# Altium PCB GE21_M1_pku_f100.PcbDoc (part 11 of 19)
Units mm, origin at the board's own origin, x right, y up, seen from the top; angles counter-clockwise.
Board outline 423.9 x 668.59 mm, 8 copper layers (Top Layer, Signal 1, DGNG1, POWER, AGND, DGND2, Signal 2, Bottom Layer), stack 1.03 mm thick; 171 components, 336 nets, 2040 pads, 4872 vias.
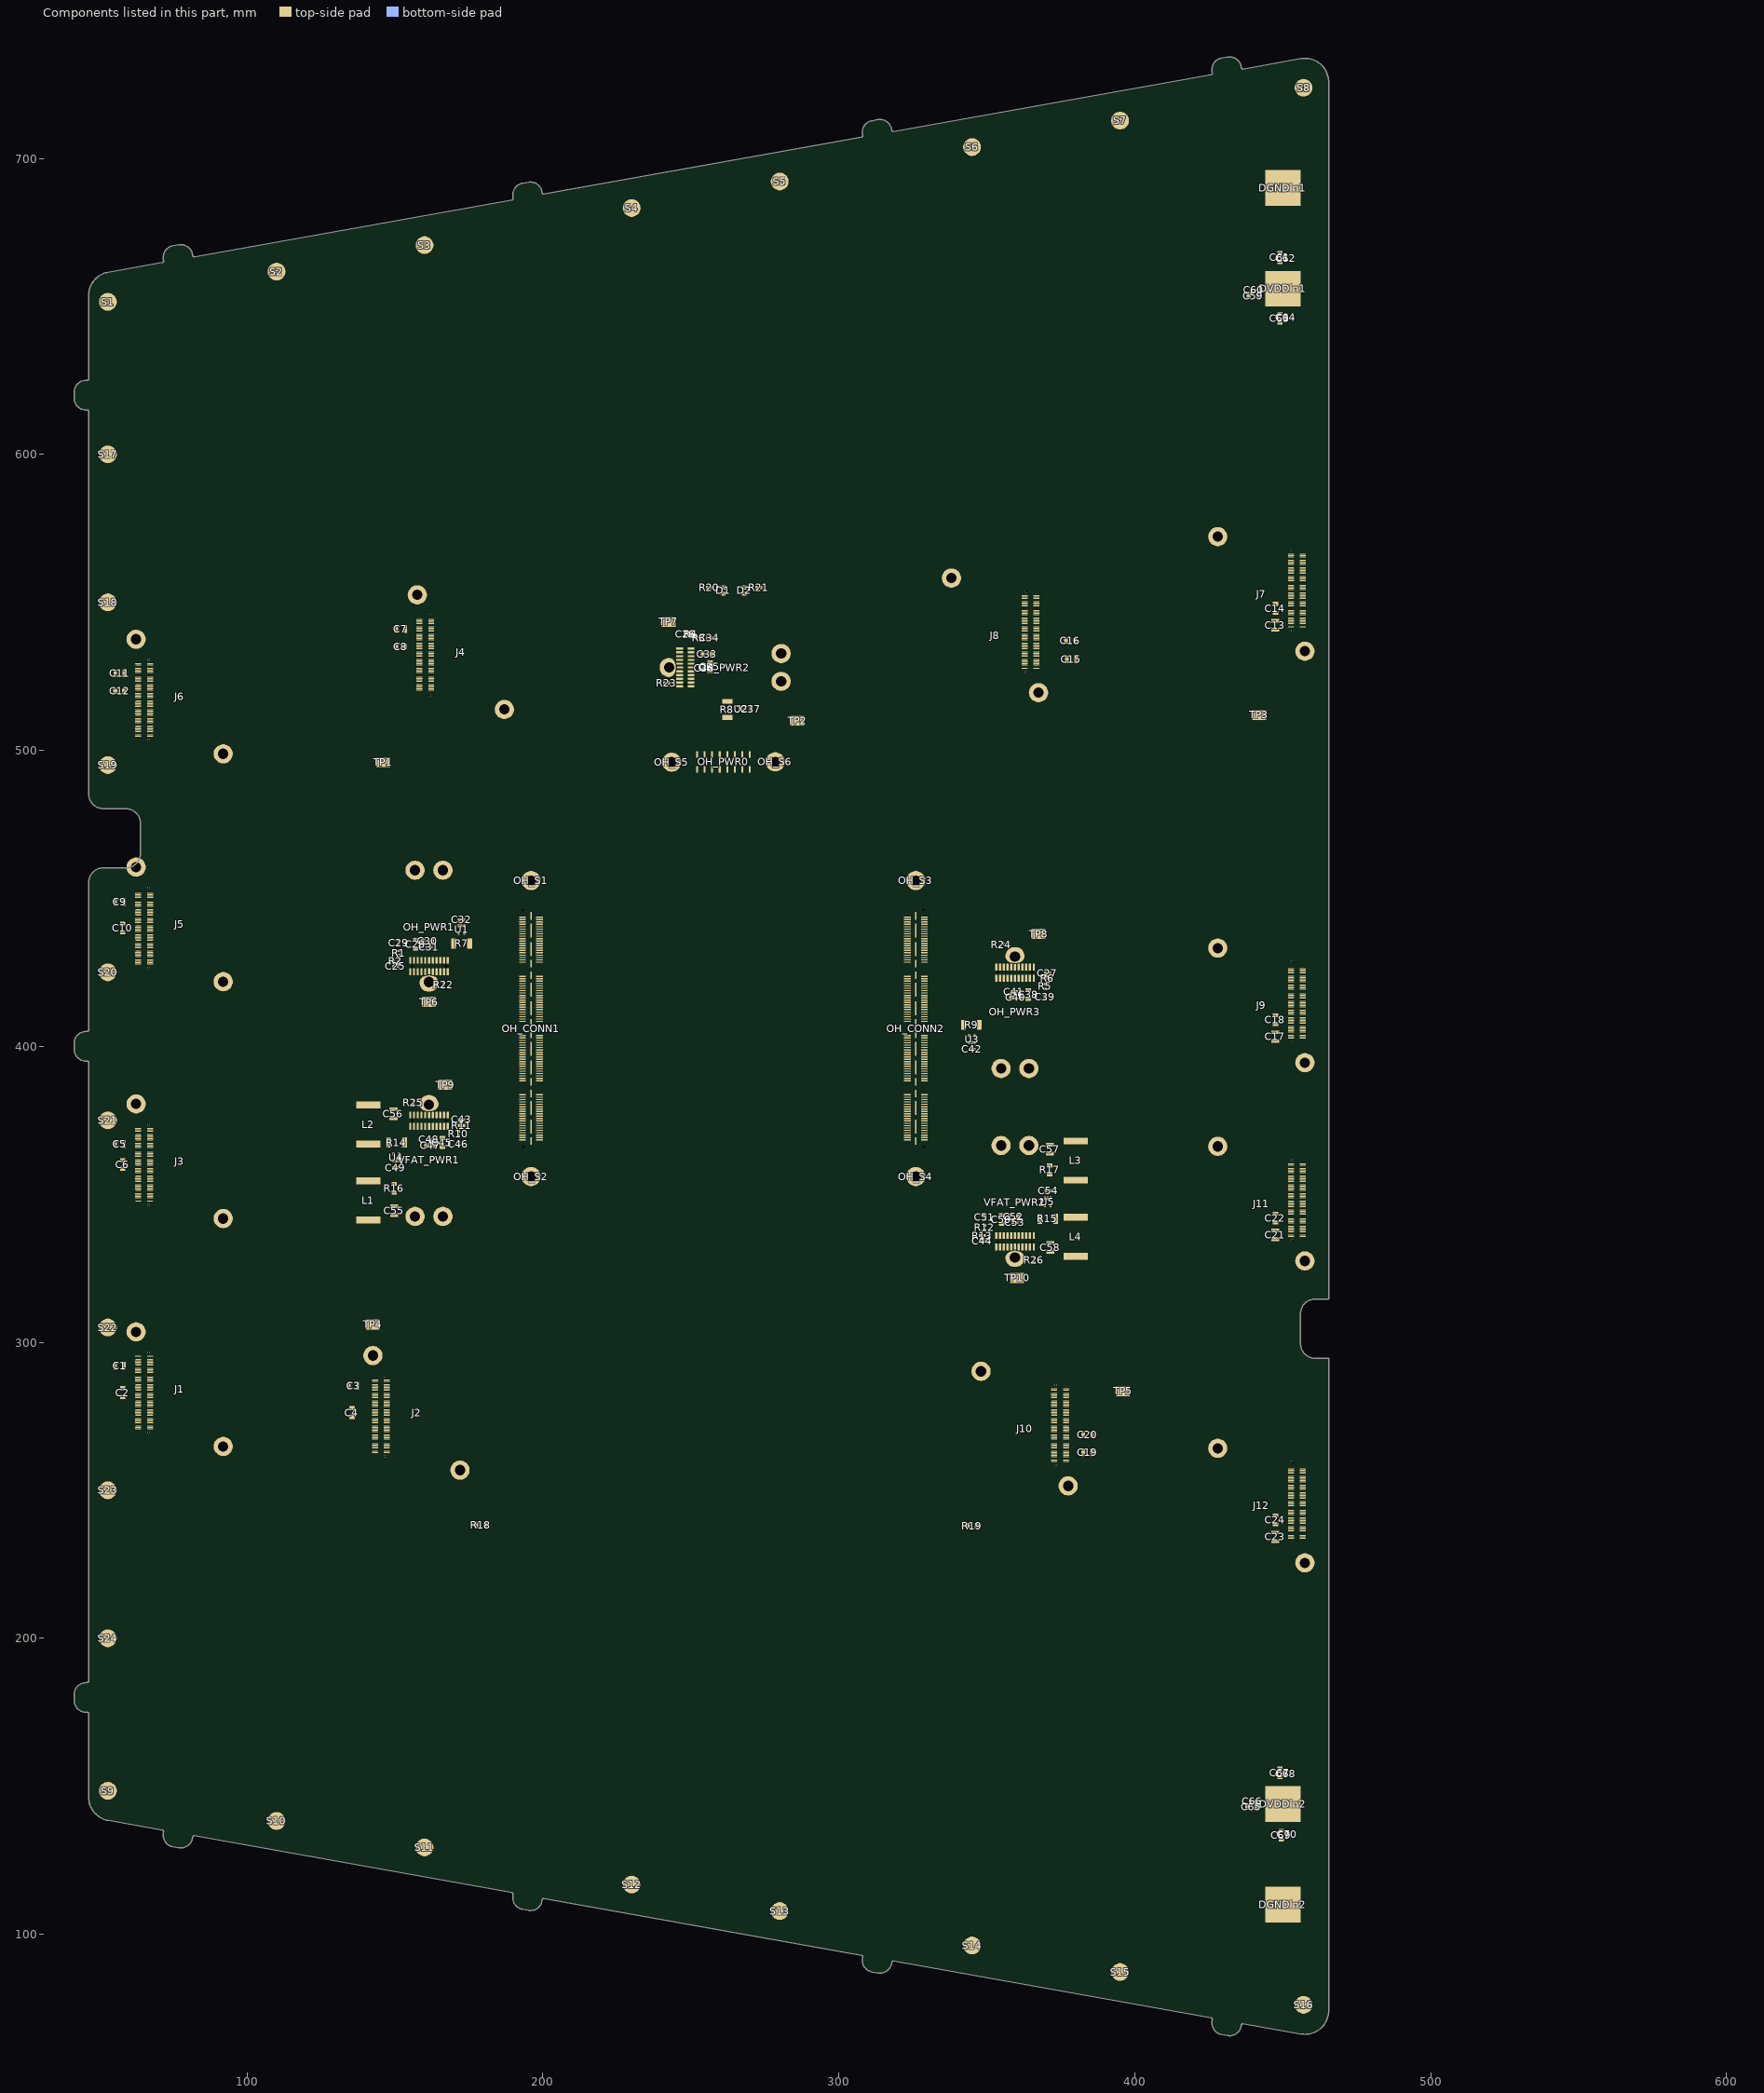
[diagram p17: the components of this part, seen from the top]

## Via types
v1: diameter 0.508, hole 0.203, Top Layer to Bottom Layer, tented both sides, 1688 vias
v2: diameter 0.402/0.402/0.402/0.201 (per signal layer), hole 0.201, Top Layer to Bottom Layer, tented both sides, 1040 vias
v3: diameter 0.507, hole 0.202, Top Layer to Bottom Layer, tented both sides, 780 vias
v4: diameter 0.4, hole 0, Top Layer to Bottom Layer, tented both sides, 438 vias
v5: diameter 0.4, hole 0.2, Top Layer to Bottom Layer, tented both sides, 288 vias
v6: diameter 0.51, hole 0.204, Top Layer to Bottom Layer, tented both sides, 288 vias
v7: diameter 0.6/0.4/0.4/0.4 (per signal layer), hole 0.3, Top Layer to Bottom Layer, tented both sides, 254 vias
v8: diameter 0.402, hole 0.201, Top Layer to Bottom Layer, tented both sides, 96 vias

## Nets (pads, with @x,y where several pads share a name; then routed paths per layer and width w, separated by ;. In a path a pad name is that pad's centre, name@x,y a point inside that pad or via, vN(x,y) a via of type N, cw(c..) or ccw(c..) an arc to the next point about the centre after c; other vN are vias at no path point) (continued)
copper on no net: (continued)
  Top Layer w0.025: 237.174,162.323 237.86,162.323 ; 237.174,162.348 237.86,162.348 ; 237.174,162.374 237.86,162.374 ; 237.174,162.399 237.86,162.399 ; 237.174,162.425 237.86,162.425 ; 237.174,162.45 237.86,162.45 ; 237.174,162.475 237.86,162.475 ; 237.174,162.501 237.86,162.501 ; 237.174,162.526 237.86,162.526 ; 237.174,162.552 237.86,162.552 ; 237.174,162.577 237.86,162.577 ; 237.174,162.602 237.86,162.602 ; 237.174,162.628 237.86,162.628 ; 237.174,162.653 237.86,162.653 ; 237.174,162.679 237.86,162.679 ; 237.174,162.704 237.86,162.704 ; 237.174,162.729 237.86,162.729 ; 237.174,162.755 237.86,162.755 ; 237.174,162.78 237.86,162.78 ; 237.174,162.806 237.86,162.806 ; 237.174,162.831 237.86,162.831 ; 237.174,162.856 237.86,162.856 ; 237.174,162.882 237.86,162.882 ; 237.174,162.907 237.86,162.907 ; 237.174,162.933 237.86,162.933 ; 237.174,162.958 237.86,162.958 ; 237.174,162.983 237.86,162.983 ; 237.174,163.009 237.86,163.009 ; 237.174,163.034 237.86,163.034 ; 237.174,163.06 237.86,163.06 ; 237.174,163.085 237.86,163.085 ; 237.174,163.11 237.86,163.11 ; 237.174,163.136 237.86,163.136 ; 237.174,163.161 237.86,163.161 ; 237.174,163.187 237.86,163.187 ; 237.174,163.212 237.86,163.212 ; 237.174,163.237 237.86,163.237 ; 237.174,163.263 237.86,163.263 ; 237.174,163.288 237.86,163.288 ; 237.174,163.314 237.86,163.314 ; 237.174,163.339 237.86,163.339 ; 237.174,163.364 237.86,163.364 ; 237.199,161.866 237.91,161.866 ; 237.199,161.891 237.885,161.891 ; 237.199,161.917 237.885,161.917 ; 237.199,161.942 237.885,161.942 ; 237.199,161.967 237.885,161.967 ; 237.199,161.993 237.885,161.993 ; 237.199,162.018 237.885,162.018 ; 237.199,162.044 237.885,162.044 ; 237.199,162.069 237.885,162.069 ; 237.199,162.094 237.885,162.094 ; 237.199,162.12 237.885,162.12 ; 237.199,162.145 237.885,162.145 ; 237.199,162.171 237.885,162.171 ; 237.199,162.196 237.885,162.196 ; 237.199,162.221 237.885,162.221 ; 237.199,162.247 237.885,162.247 ; 237.199,162.272 237.885,162.272 ; 237.199,162.298 237.885,162.298 ; 237.199,163.39 237.885,163.39 ; 237.199,163.415 237.885,163.415 ; 237.199,163.441 237.885,163.441 ; 237.199,163.466 237.885,163.466 ; 237.199,163.491 237.885,163.491 ; 237.199,163.517 237.885,163.517 ; 237.199,163.542 237.885,163.542 ; 237.199,163.568 237.885,163.568 ; 237.199,163.593 237.885,163.593 ; 237.199,163.618 237.885,163.618 ; 237.199,163.644 237.885,163.644 ; 237.199,163.669 237.885,163.669 ; 237.199,163.695 237.885,163.695 ; 237.199,163.72 237.885,163.72 ; 237.199,163.745 237.885,163.745 ; 237.199,163.771 237.885,163.771 ; 237.199,163.796 237.885,163.796 ; 237.199,163.822 237.91,163.822 ; 237.225,161.586 237.936,161.586 ; 237.225,161.612 237.91,161.612 ; 237.225,161.637 237.91,161.637 ; 237.225,161.663 237.91,161.663 ; 237.225,161.688 237.91,161.688 ; 237.225,161.713 237.91,161.713 ; 237.225,161.739 237.91,161.739 ; 237.225,161.764 237.91,161.764 ; 237.225,161.79 237.91,161.79 ; 237.225,161.815 237.91,161.815 ; 237.225,161.84 237.91,161.84 ; 237.225,163.847 237.91,163.847 ; 237.225,163.872 237.91,163.872 ; 237.225,163.898 237.91,163.898 ; 237.225,163.923 237.91,163.923 ; 237.225,163.949 237.91,163.949 ; 237.225,163.974 237.91,163.974 ; 237.225,163.999 237.91,163.999 ; 237.225,164.025 237.91,164.025 ; 237.225,164.05 237.91,164.05 ; 237.225,164.076 237.91,164.076 ; 237.225,164.101 237.936,164.101 ; 237.25,161.332 237.961,161.332 ; 237.25,161.358 237.961,161.358 ; 237.25,161.383 237.936,161.383 ; 237.25,161.409 237.936,161.409 ; 237.25,161.434 237.936,161.434 ; 237.25,161.459 237.936,161.459 ; 237.25,161.485 237.936,161.485 ; 237.25,161.51 237.936,161.51 ; 237.25,161.536 237.936,161.536 ; 237.25,161.561 237.936,161.561 ; 237.25,164.126 237.936,164.126 ; 237.25,164.152 237.936,164.152 ; 237.25,164.177 237.936,164.177 ; 237.25,164.203 237.936,164.203 ; 237.25,164.228 237.936,164.228 ; 237.25,164.253 237.936,164.253 ; 237.25,164.279 237.936,164.279 ; 237.25,164.304 237.936,164.304 ; 237.25,164.33 237.936,164.33 ; 237.275,161.155 237.987,161.155 ; 237.275,161.18 237.961,161.18 ; 237.275,161.205 237.961,161.205 ; 237.275,161.231 237.961,161.231 ; 237.275,161.256 237.961,161.256 ; 237.275,161.282 237.961,161.282 ; 237.275,161.307 237.961,161.307 ; 237.275,164.355 237.961,164.355 ; 237.275,164.38 237.961,164.38 ; 237.275,164.406 237.961,164.406 ; 237.275,164.431 237.961,164.431 ; 237.275,164.457 237.961,164.457 ; 237.275,164.482 237.961,164.482 ; 237.275,164.507 237.961,164.507 ; 237.275,164.533 237.987,164.533 ; 237.301,160.977 237.987,160.977 ; 237.301,161.002 237.987,161.002 ; 237.301,161.028 237.987,161.028 ; 237.301,161.053 237.987,161.053 ; 237.301,161.078 237.987,161.078 ; 237.301,161.104 237.987,161.104 ; 237.301,161.129 237.987,161.129 ; 237.301,164.558 237.987,164.558 ; 237.301,164.584 237.987,164.584 ; 237.301,164.609 237.987,164.609 ; 237.301,164.634 237.987,164.634 ; 237.301,164.66 237.987,164.66 ; 237.301,164.685 237.987,164.685 ; 237.301,164.711 237.987,164.711 ; 237.326,160.799 238.037,160.799 ; 237.326,160.824 238.012,160.824 ; 237.326,160.85 238.012,160.85 ; 237.326,160.875 238.012,160.875 ; 237.326,160.901 238.012,160.901 ; 237.326,160.926 238.012,160.926 ; 237.326,160.951 238.012,160.951 ; 237.326,164.736 238.012,164.736 ; 237.326,164.761 238.012,164.761 ; 237.326,164.787 238.012,164.787 ; 237.326,164.812 238.012,164.812 ; 237.326,164.838 238.012,164.838 ; 237.326,164.863 238.012,164.863 ; 237.326,164.888 238.037,164.888 ; 237.352,160.647 238.063,160.647 ; 237.352,160.672 238.037,160.672 ; 237.352,160.697 238.037,160.697 ; 237.352,160.723 238.037,160.723 ; 237.352,160.748 238.037,160.748 ; 237.352,160.774 238.037,160.774 ; 237.352,164.914 238.037,164.914 ; 237.352,164.939 238.037,164.939 ; 237.352,164.965 238.037,164.965 ; 237.352,164.99 238.037,164.99 ; 237.352,165.015 238.037,165.015 ; 237.352,165.041 238.063,165.041 ; 237.377,160.52 238.088,160.52 ; 237.377,160.545 238.063,160.545 ; 237.377,160.57 238.063,160.57 ; 237.377,160.596 238.063,160.596 ; 237.377,160.621 238.063,160.621 ; 237.377,165.066 238.063,165.066 ; 237.377,165.092 238.063,165.092 ; 237.377,165.117 238.063,165.117 ; 237.377,165.142 238.063,165.142 ; 237.377,165.168 238.088,165.168 ; 237.402,160.367 238.114,160.367 ; 237.402,160.393 238.114,160.393 ; 237.402,160.418 238.088,160.418 ; 237.402,160.443 238.088,160.443 ; 237.402,160.469 238.088,160.469 ; 237.402,160.494 238.088,160.494 ; 237.402,165.193 238.088,165.193 ; 237.402,165.219 238.088,165.219 ; 237.402,165.244 238.088,165.244 ; 237.402,165.269 238.088,165.269 ; 237.402,165.295 238.114,165.295 ; 237.402,165.32 238.114,165.32 ; 237.428,160.24 238.139,160.24 ; 237.428,160.266 238.139,160.266 ; 237.428,160.291 238.114,160.291 ; 237.428,160.316 238.114,160.316 ; 237.428,160.342 238.114,160.342 ; 237.428,165.346 238.114,165.346 ; 237.428,165.371 238.114,165.371 ; 237.428,165.396 238.114,165.396 ; 237.428,165.422 238.139,165.422 ; 237.428,165.447 238.139,165.447 ; 237.453,160.113 238.164,160.113 ; 237.453,160.139 238.164,160.139 ; 237.453,160.164 238.139,160.164 ; 237.453,160.189 238.139,160.189 ; 237.453,160.215 238.139,160.215 ; 237.453,165.473 238.139,165.473 ; 237.453,165.498 238.139,165.498 ; 237.453,165.523 238.139,165.523 ; 237.453,165.549 238.164,165.549 ; 237.453,165.574 238.164,165.574 ; 237.479,160.012 238.19,160.012 ; 237.479,160.037 238.19,160.037 ; 237.479,160.062 238.164,160.062 ; 237.479,160.088 238.164,160.088 ; 237.479,165.6 238.164,165.6 ; 237.479,165.625 238.164,165.625 ; 237.479,165.65 238.19,165.65 ; 237.479,165.676 238.19,165.676 ; 237.504,159.885 238.215,159.885 ; 237.504,159.91 238.215,159.91 ; 237.504,159.935 238.215,159.935 ; 237.504,159.961 238.19,159.961 ; 237.504,159.986 238.19,159.986 ; 237.504,165.701 238.19,165.701 ; 237.504,165.727 238.19,165.727 ; 237.504,165.752 238.215,165.752 ; 237.504,165.777 238.215,165.777 ; 237.504,165.803 238.215,165.803 ; 237.529,159.783 238.241,159.783 ; 237.529,159.808 238.241,159.808 ; 237.529,159.834 238.241,159.834 ; 237.529,159.859 238.215,159.859 ; 237.529,165.828 238.215,165.828 ; 237.529,165.854 238.241,165.854 ; 237.529,165.879 238.241,165.879 ; 237.529,165.904 238.241,165.904 ; 237.555,159.656 238.266,159.656 ; 237.555,159.681 238.266,159.681 ; 237.555,159.707 238.266,159.707 ; 237.555,159.732 238.266,159.732 ; 237.555,159.758 238.241,159.758 ; 237.555,165.93 238.241,165.93 ; 237.555,165.955 238.266,165.955 ; 237.555,165.981 238.266,165.981 ; 237.555,166.006 238.266,166.006 ; 237.58,159.58 238.291,159.58 ; 237.58,159.605 238.291,159.605 ; 237.58,159.631 238.291,159.631 ; 237.58,166.031 238.266,166.031 ; 237.58,166.057 238.291,166.057 ; 237.58,166.082 238.291,166.082 ; 237.58,166.108 238.291,166.108 ; 237.606,159.478 238.317,159.478 ; 237.606,159.504 238.317,159.504 ; 237.606,159.529 238.317,159.529 ; 237.606,159.554 238.317,159.554 ; 237.606,166.133 238.317,166.133 ; 237.606,166.158 238.317,166.158 ; 237.606,166.184 238.317,166.184 ; 237.606,166.209 238.317,166.209 ; 237.631,159.402 238.342,159.402 ; 237.631,159.427 238.342,159.427 ; 237.631,159.453 238.342,159.453 ; 237.631,166.235 238.342,166.235 ; 237.631,166.26 238.342,166.26 ; 237.631,166.285 238.342,166.285 ; 237.656,159.3 238.368,159.3 ; 237.656,159.326 238.368,159.326 ; 237.656,159.351 238.368,159.351 ; 237.656,159.377 238.368,159.377 ; 237.656,166.311 238.368,166.311 ; 237.656,166.336 238.368,166.336 ; 237.656,166.362 238.368,166.362 ; 237.656,166.387 238.393,166.387 ; 237.682,159.224 238.393,159.224 ; 237.682,159.25 238.393,159.25 ; 237.682,159.275 238.393,159.275 ; 237.682,166.412 238.393,166.412 ; 237.682,166.438 238.393,166.438 ; 237.682,166.463 238.393,166.463 ; 237.707,159.148 238.418,159.148 ; 237.707,159.173 238.418,159.173 ; 237.707,159.199 238.418,159.199 ; 237.707,166.489 238.418,166.489 ; 237.707,166.514 238.418,166.514 ; 237.707,166.539 238.418,166.539 ; 237.733,159.046 238.469,159.046 ; 237.733,159.072 238.444,159.072 ; 237.733,159.097 238.444,159.097 ; 237.733,159.123 238.444,159.123 ; 237.733,166.565 238.444,166.565 ; 237.733,166.59 238.444,166.59 ; 237.733,166.616 238.444,166.616 ; 237.733,166.641 238.469,166.641 ; 237.758,158.97 238.495,158.97 ; 237.758,158.996 238.469,158.996 ; 237.758,159.021 238.469,159.021 ; 237.758,166.666 238.469,166.666 ; 237.758,166.692 238.469,166.692 ; 237.758,166.717 238.495,166.717 ; 237.783,158.894 238.52,158.894 ; 237.783,158.919 238.495,158.919 ; 237.783,158.945 238.495,158.945 ; 237.783,166.743 238.495,166.743 ; 237.783,166.768 238.495,166.768 ; 237.783,166.793 238.52,166.793 ; 237.809,158.818 238.545,158.818 ; 237.809,158.843 238.52,158.843 ; 237.809,158.869 238.52,158.869 ; 237.809,166.819 238.52,166.819 ; 237.809,166.844 238.52,166.844 ; 237.809,166.87 238.545,166.87 ; 237.834,158.742 238.571,158.742 ; 237.834,158.767 238.545,158.767 ; 237.834,158.792 238.545,158.792 ; 237.834,166.895 238.545,166.895 ; 237.834,166.92 238.545,166.92 ; 237.834,166.946 238.571,166.946 ; 237.86,158.665 238.596,158.665 ; 237.86,158.691 238.571,158.691 ; 237.86,158.716 238.571,158.716 ; 237.86,166.971 238.571,166.971 ; 237.86,166.997 238.571,166.997 ; 237.86,167.022 238.596,167.022 ; 237.885,158.589 238.622,158.589 ; 237.885,158.615 238.596,158.615 ; 237.885,158.64 238.596,158.64 ; 237.885,167.047 238.596,167.047 ; 237.885,167.073 238.596,167.073 ; 237.885,167.098 238.622,167.098 ; 237.91,158.513 238.647,158.513 ; 237.91,158.538 238.647,158.538 ; 237.91,158.564 238.622,158.564 ; 237.91,167.124 238.622,167.124 ; 237.91,167.149 238.647,167.149 ; 237.91,167.174 238.647,167.174 ; 237.936,158.437 238.672,158.437 ; 237.936,158.462 238.672,158.462 ; 237.936,158.488 238.647,158.488 ; 237.936,167.2 238.647,167.2 ; 237.936,167.225 238.672,167.225 ; 237.936,167.251 238.672,167.251 ; 237.961,158.361 238.698,158.361 ; 237.961,158.386 238.698,158.386 ; 237.961,158.411 238.672,158.411 ; 237.961,167.276 238.672,167.276 ; 237.961,167.301 238.698,167.301 ; 237.987,158.31 238.723,158.31 ; 237.987,158.335 238.723,158.335 ; 237.987,167.327 238.698,167.327 ; 237.987,167.352 238.723,167.352 ; 237.987,167.378 238.723,167.378 ; 238.012,158.234 238.749,158.234 ; 238.012,158.259 238.749,158.259 ; 238.012,158.284 238.723,158.284 ; 238.012,167.403 238.723,167.403 ; 238.012,167.428 238.749,167.428 ; 238.012,167.454 238.749,167.454 ; 238.037,158.157 238.799,158.157 ; 238.037,158.183 238.774,158.183 ; 238.037,158.208 238.774,158.208 ; 238.037,167.479 238.774,167.479 ; 238.037,167.505 238.774,167.505 ; 238.037,167.53 238.799,167.53 ; 238.063,158.107 238.799,158.107 ; 238.063,158.132 238.799,158.132 ; 238.063,167.555 238.799,167.555 ; 238.063,167.581 238.799,167.581 ; 238.088,158.03 238.85,158.03 ; 238.088,158.056 238.825,158.056 ; 238.088,158.081 238.825,158.081 ; 238.088,167.606 238.825,167.606 ; 238.088,167.632 238.825,167.632 ; 238.088,167.657 238.85,167.657 ; 238.114,157.98 238.85,157.98 ; 238.114,158.005 238.85,158.005 ; 238.114,167.682 238.85,167.682 ; 238.114,167.708 238.876,167.708 ; 238.139,157.903 238.901,157.903 ; 238.139,157.929 238.876,157.929 ; 238.139,157.954 238.876,157.954 ; 238.139,167.733 238.876,167.733 ; 238.139,167.759 238.876,167.759 ; 238.139,167.784 238.901,167.784 ; 238.164,157.853 238.926,157.853 ; 238.164,157.878 238.901,157.878 ; 238.164,167.809 238.901,167.809 ; 238.164,167.835 238.926,167.835 ; 238.19,157.802 238.952,157.802 ; 238.19,157.827 238.926,157.827 ; 238.19,167.86 238.926,167.86 ; 238.19,167.886 238.952,167.886 ; 238.215,157.726 238.977,157.726 ; 238.215,157.751 238.952,157.751 ; 238.215,157.776 238.952,157.776 ; 238.215,167.911 238.952,167.911 ; 238.215,167.936 238.952,167.936 ; 238.241,157.675 239.003,157.675 ; 238.241,157.7 238.977,157.7 ; 238.241,167.962 238.977,167.962 ; 238.241,167.987 238.977,167.987 ; 238.241,168.013 239.003,168.013 ; 238.266,157.624 239.028,157.624 ; 238.266,157.649 239.003,157.649 ; 238.266,168.038 239.003,168.038 ; 238.266,168.063 239.028,168.063 ; 238.291,157.573 239.053,157.573 ; 238.291,157.599 239.028,157.599 ; 238.291,168.089 239.028,168.089 ; 238.291,168.114 239.053,168.114 ; 238.317,157.497 239.079,157.497 ; 238.317,157.522 239.079,157.522 ; 238.317,157.548 239.053,157.548 ; 238.317,168.14 239.053,168.14 ; 238.317,168.165 239.079,168.165 ; 238.317,168.19 239.079,168.19 ; 238.342,157.446 239.104,157.446 ; 238.342,157.472 239.104,157.472 ; 238.342,168.216 239.104,168.216 ; 238.342,168.241 239.104,168.241 ; 238.368,157.395 239.13,157.395 ; 238.368,157.421 239.13,157.421 ; 238.368,168.267 239.13,168.267 ; 238.368,168.292 239.13,168.292 ; 238.393,157.345 239.155,157.345 ; 238.393,157.37 239.13,157.37 ; 238.393,168.317 239.155,168.317 ; 238.393,168.343 239.155,168.343 ; 238.418,157.294 239.18,157.294 ; 238.418,157.319 239.18,157.319 ; 238.418,168.368 239.18,168.368 ; 238.418,168.394 239.18,168.394 ; 238.444,157.243 239.206,157.243 ; 238.444,157.268 239.206,157.268 ; 238.444,168.419 239.206,168.419 ; 238.444,168.444 239.206,168.444 ; 238.469,157.192 239.231,157.192 ; 238.469,157.218 239.231,157.218 ; 238.469,168.47 239.231,168.47 ; 238.469,168.495 239.231,168.495 ; 238.495,157.141 239.257,157.141 ; 238.495,157.167 239.257,157.167 ; 238.495,168.521 239.257,168.521 ; 238.495,168.546 239.257,168.546 ; 238.52,157.091 239.282,157.091 ; 238.52,157.116 239.282,157.116 ; 238.52,168.571 239.282,168.571 ; 238.52,168.597 239.282,168.597 ; 238.545,157.04 239.307,157.04 ; 238.545,157.065 239.307,157.065 ; 238.545,168.622 239.307,168.622 ; 238.545,168.648 239.307,168.648 ; 238.571,156.989 239.333,156.989 ; 238.571,157.014 239.333,157.014 ; 238.571,168.673 239.333,168.673 ; 238.571,168.698 239.333,168.698 ; 238.596,156.938 239.384,156.938 ; 238.596,156.964 239.358,156.964 ; 238.596,168.724 239.358,168.724 ; 238.596,168.749 239.384,168.749 ; 238.622,156.887 239.409,156.887 ; 238.622,156.913 239.384,156.913 ; 238.622,168.775 239.384,168.775 ; 238.622,168.8 239.409,168.8 ; 238.647,156.837 239.434,156.837 ; 238.647,156.862 239.409,156.862 ; 238.647,168.825 239.409,168.825 ; 238.647,168.851 239.434,168.851 ; 238.672,156.786 239.46,156.786 ; 238.672,156.811 239.434,156.811 ; 238.672,162.145 239.282,162.145 ; 238.672,162.171 239.282,162.171 ; 238.672,162.196 239.282,162.196 ; 238.672,162.221 239.282,162.221 ; 238.672,162.247 239.282,162.247 ; 238.672,162.272 239.282,162.272 ; 238.672,162.298 239.282,162.298 ; 238.672,162.323 239.282,162.323 ; 238.672,162.348 239.282,162.348 ; 238.672,162.374 239.282,162.374 ; 238.672,162.399 239.282,162.399 ; 238.672,162.425 239.282,162.425 ; 238.672,162.45 239.282,162.45 ; 238.672,162.475 239.282,162.475 ; 238.672,162.501 239.282,162.501 ; 238.672,162.526 239.282,162.526 ; 238.672,162.552 239.282,162.552 ; 238.672,162.577 239.282,162.577 ; 238.672,162.602 239.282,162.602 ; 238.672,162.628 239.282,162.628 ; 238.672,162.653 239.282,162.653 ; 238.672,162.679 239.282,162.679 ; 238.672,162.704 239.282,162.704 ; 238.672,162.729 239.282,162.729 ; 238.672,162.755 239.282,162.755 ; 238.672,162.78 239.282,162.78 ; 238.672,162.806 239.282,162.806 ; 238.672,162.831 239.282,162.831 ; 238.672,162.856 239.282,162.856 ; 238.672,162.882 239.282,162.882 ; 238.672,162.907 239.282,162.907 ; 238.672,162.933 239.282,162.933 ; 238.672,162.958 239.282,162.958 ; 238.672,162.983 239.282,162.983 ; 238.672,163.009 239.282,163.009 ; 238.672,163.034 239.282,163.034 ; 238.672,163.06 239.282,163.06 ; 238.672,163.085 239.282,163.085 ; 238.672,163.11 239.282,163.11 ; 238.672,163.136 239.282,163.136 ; 238.672,163.161 239.282,163.161 ; 238.672,163.187 239.282,163.187 ; 238.672,163.212 239.282,163.212 ; 238.672,163.237 239.282,163.237 ; 238.672,163.263 239.282,163.263 ; 238.672,163.288 239.282,163.288 ; 238.672,163.314 239.282,163.314 ; 238.672,163.339 239.282,163.339 ; 238.672,163.364 239.282,163.364 ; 238.672,163.39 239.282,163.39 ; 238.672,163.415 239.282,163.415 ; 238.672,163.441 239.282,163.441 ; 238.672,163.466 239.282,163.466 ; 238.672,163.491 239.282,163.491 ; 238.672,163.517 239.282,163.517 ; 238.672,163.542 239.282,163.542 ; 238.672,168.876 239.434,168.876 ; 238.672,168.902 239.46,168.902 ; 238.698,156.735 239.485,156.735 ; 238.698,156.76 239.46,156.76 ; 238.698,161.84 239.307,161.84 ; 238.698,161.866 239.307,161.866 ; 238.698,161.891 239.307,161.891 ; 238.698,161.917 239.307,161.917 ; 238.698,161.942 239.307,161.942 ; 238.698,161.967 239.307,161.967 ; 238.698,161.993 239.307,161.993 ; 238.698,162.018 239.307,162.018 ; 238.698,162.044 239.307,162.044 ; 238.698,162.069 239.307,162.069 ; 238.698,162.094 239.307,162.094 ; 238.698,162.12 239.307,162.12 ; 238.698,163.568 239.307,163.568 ; 238.698,163.593 239.307,163.593 ; 238.698,163.618 239.307,163.618 ; 238.698,163.644 239.307,163.644 ; 238.698,163.669 239.307,163.669 ; 238.698,163.695 239.307,163.695 ; 238.698,163.72 239.307,163.72 ; 238.698,163.745 239.307,163.745 ; 238.698,163.771 239.307,163.771 ; 238.698,163.796 239.307,163.796 ; 238.698,163.822 239.307,163.822 ; 238.698,163.847 239.307,163.847 ; 238.698,168.927 239.46,168.927 ; 238.698,168.952 239.485,168.952 ; 238.723,156.684 239.511,156.684 ; 238.723,156.71 239.511,156.71 ; 238.723,161.586 239.333,161.586 ; 238.723,161.612 239.333,161.612 ; 238.723,161.637 239.333,161.637 ; 238.723,161.663 239.333,161.663 ; 238.723,161.688 239.333,161.688 ; 238.723,161.713 239.333,161.713 ; 238.723,161.739 239.333,161.739 ; 238.723,161.764 239.333,161.764 ; 238.723,161.79 239.333,161.79 ; 238.723,161.815 239.307,161.815 ; 238.723,163.872 239.307,163.872 ; 238.723,163.898 239.333,163.898 ; 238.723,163.923 239.333,163.923 ; 238.723,163.949 239.333,163.949 ; 238.723,163.974 239.333,163.974 ; 238.723,163.999 239.333,163.999 ; 238.723,164.025 239.333,164.025 ; 238.723,164.05 239.333,164.05 ; 238.723,164.076 239.333,164.076 ; 238.723,164.101 239.333,164.101 ; 238.723,168.978 239.511,168.978 ; 238.723,169.003 239.511,169.003 ; 238.749,156.633 239.536,156.633 ; 238.749,156.659 239.536,156.659 ; 238.749,161.358 239.384,161.358 ; 238.749,161.383 239.358,161.383 ; 238.749,161.409 239.358,161.409 ; 238.749,161.434 239.358,161.434 ; 238.749,161.459 239.358,161.459 ; 238.749,161.485 239.358,161.485 ; 238.749,161.51 239.358,161.51 ; 238.749,161.536 239.358,161.536 